# KiCad board keyball61_Left.kicad_pcb (continued)
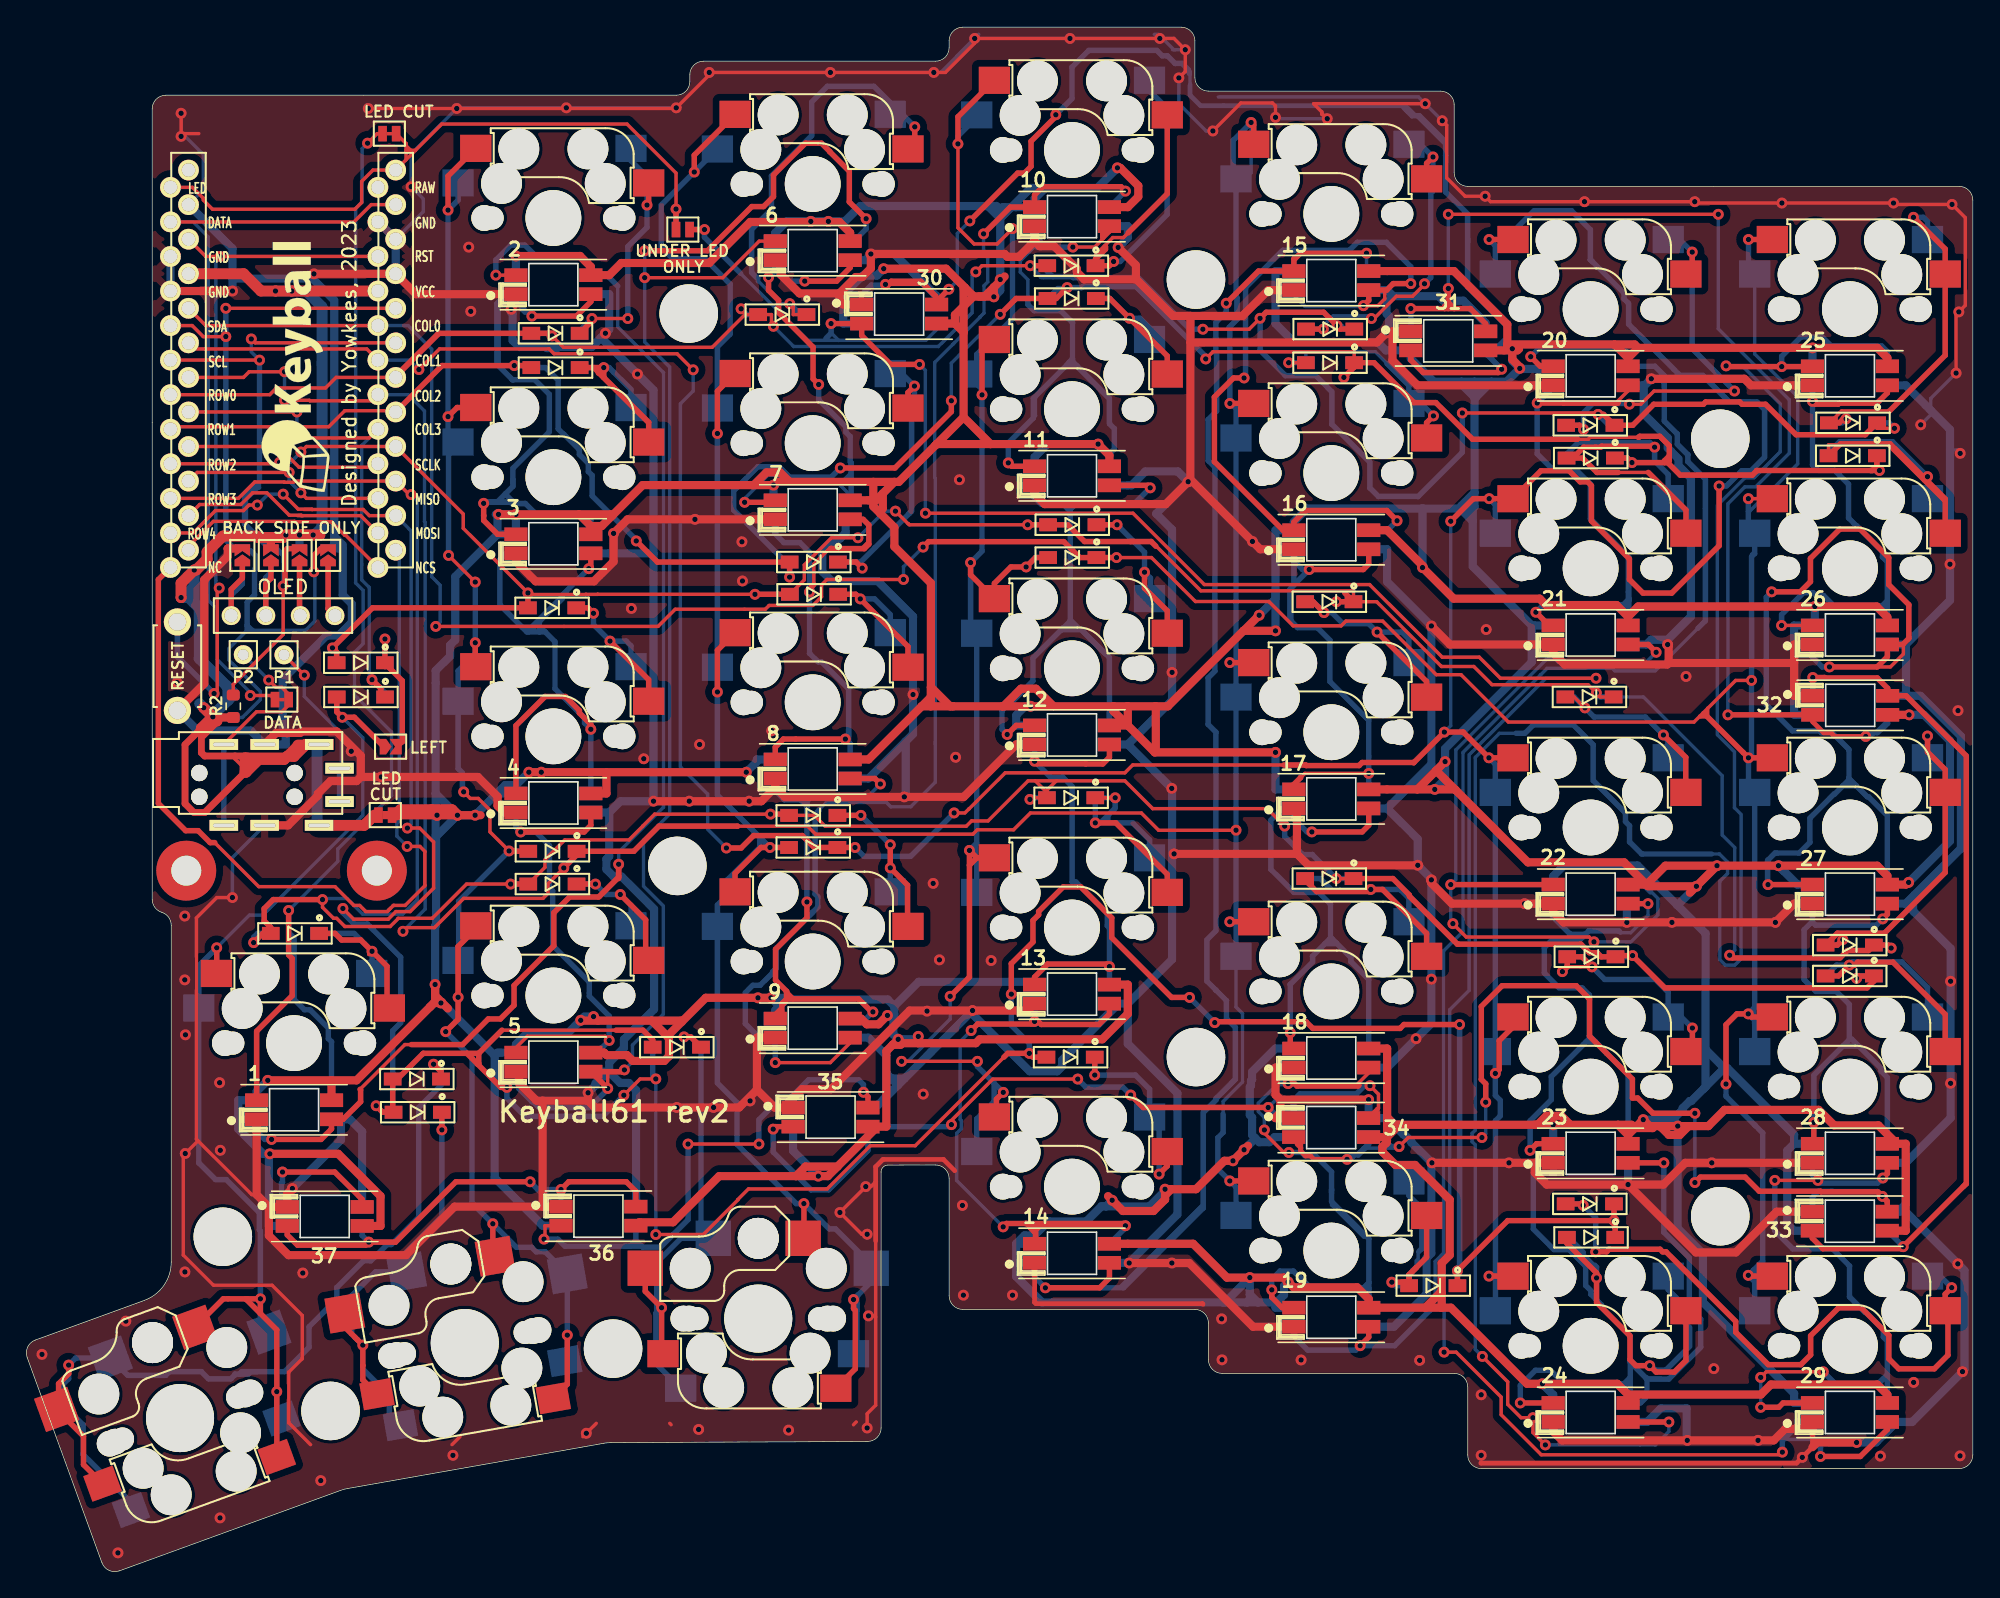
[diagram p0: board, top side]
## Routing (per net, layer and track width the routed paths; a pad name or vN(x,y) marks a point on that pad's centre or on a via; arc(x,y) is an arc through that point) (continued)
Net-(LED36-Pad2): length 36.8
  Top w0.4: v1(39.21,28.03) 39.79,28.6 44,28.6 44.71,27.89 36.2 ; v1(36.94,28.6) 31.49,28.6 27.05,24.16 v1(25.09,24.16) 24.87,23.94 19.85,23.94 19.1,24.69 37.4
  Bottom w0.25: v1(36.94,28.6) 38.04,27.5
  Bottom w0.4: 37.51,28.03 v1(39.21,28.03) 36.2 38.77,26.77 37.51,28.03 ; 37.51,28.03 v1(36.94,28.6) ; v1(25.09,24.16) 24.6,24.65 37.4
Net-(LED37-Pad2): length 10
  Top w0.4: 37.2 24.6,27.3 22.59,29.31 v1(18.75,29.31)
  Bottom w0.4: 37.2 18.68,27.17 18.68,28.49 18.75,28.56 v1(18.75,29.31)
Net-(U1-Pad12): length 67.9
  Top w0.25: 26.9,48.91 26.98,48.91 ; 26.9,48.91 26.55,48.56 ; 26.9,48.91 27.76,48.91 29.21,50.36 29.21,52.88 28.85,53.25 v1(27.91,53.25) ; 26.55,48.56 26.45,48.46 24.87,48.46 24.43,48.91 24,48.91 22.61,50.29 17.01,50.29 13.77,53.53 ; 26.55,48.56 26.72,48.73
  Top w0.4: U1.12 9.63,72.86 9.63,56.41 11.64,54.4 12.56,54.4 13.44,53.53 13.77,53.53
  Bottom w0.25: v1(27.91,53.25) 27.16,54 27.16,54.94 27.33,55.12 27.33,74.76 U1.12
Net-(U1-Pad13): length 17
  Top w0.25: U1.13 23.4,76.11 23.33,76.11 22.33,77.11 19.67,77.11 19.64,77.14 13.67,77.14 11.85,75.32 U1.13 12.49,75.02
Net-(U1-Pad14): length 16.2
  Top w0.25: 20.23,77.56 20.14,77.56 20.12,77.59 19.25,77.59 17.6,79.24 16.55,79.24 15.7,78.38 12.67,78.38 U1.14 ; 20.23,77.56 19.85,77.56 ; 20.23,77.56 24.49,77.56 U1.14
Net-(U1-Pad15): length 15.3
  Top w0.25: U1.15 12.48,80.74 v1(19.24,80.74) ; v1(20.1,79.24) 20.51,78.83 U1.15
  Bottom w0.25: v1(20.1,79.24) 19.24,80.1 v1(19.24,80.74)
Net-(U1-Pad16): length 14.6
  Top w0.25: U1.16 18.44,82.64 19.97,81.12 25.51,81.12 U1.16

## Copper pours and planes (outline as drawn; the poured copper is in the pictures)
GND on Top: 157.99,-11.22 -13.37,-11.47 -17.59,122.94 -17.34,122.69 157.99,123.19
GND on Top: 158.48,-11.72 -12.88,-11.72 -17.34,123.19 -16.85,123.19 158.23,123.44
GND on Bottom: 158.23,-11.22 -13.62,-11.22 -17.34,122.69 -18.08,122.94 156.99,122.94
GND on Bottom: 158.48,-11.72 -13.13,-11.96 -17.34,122.94 -16.6,123.19 157.99,123.44

## Text on the board
B.Silkscreen: Designed by Yowkees, 2023 | Keyball61 rev2
F.Silkscreen: Designed by Yowkees, 2023 | Keyball61 rev2
